# KiCad board panel_50_1.kicad_pcb (continued)
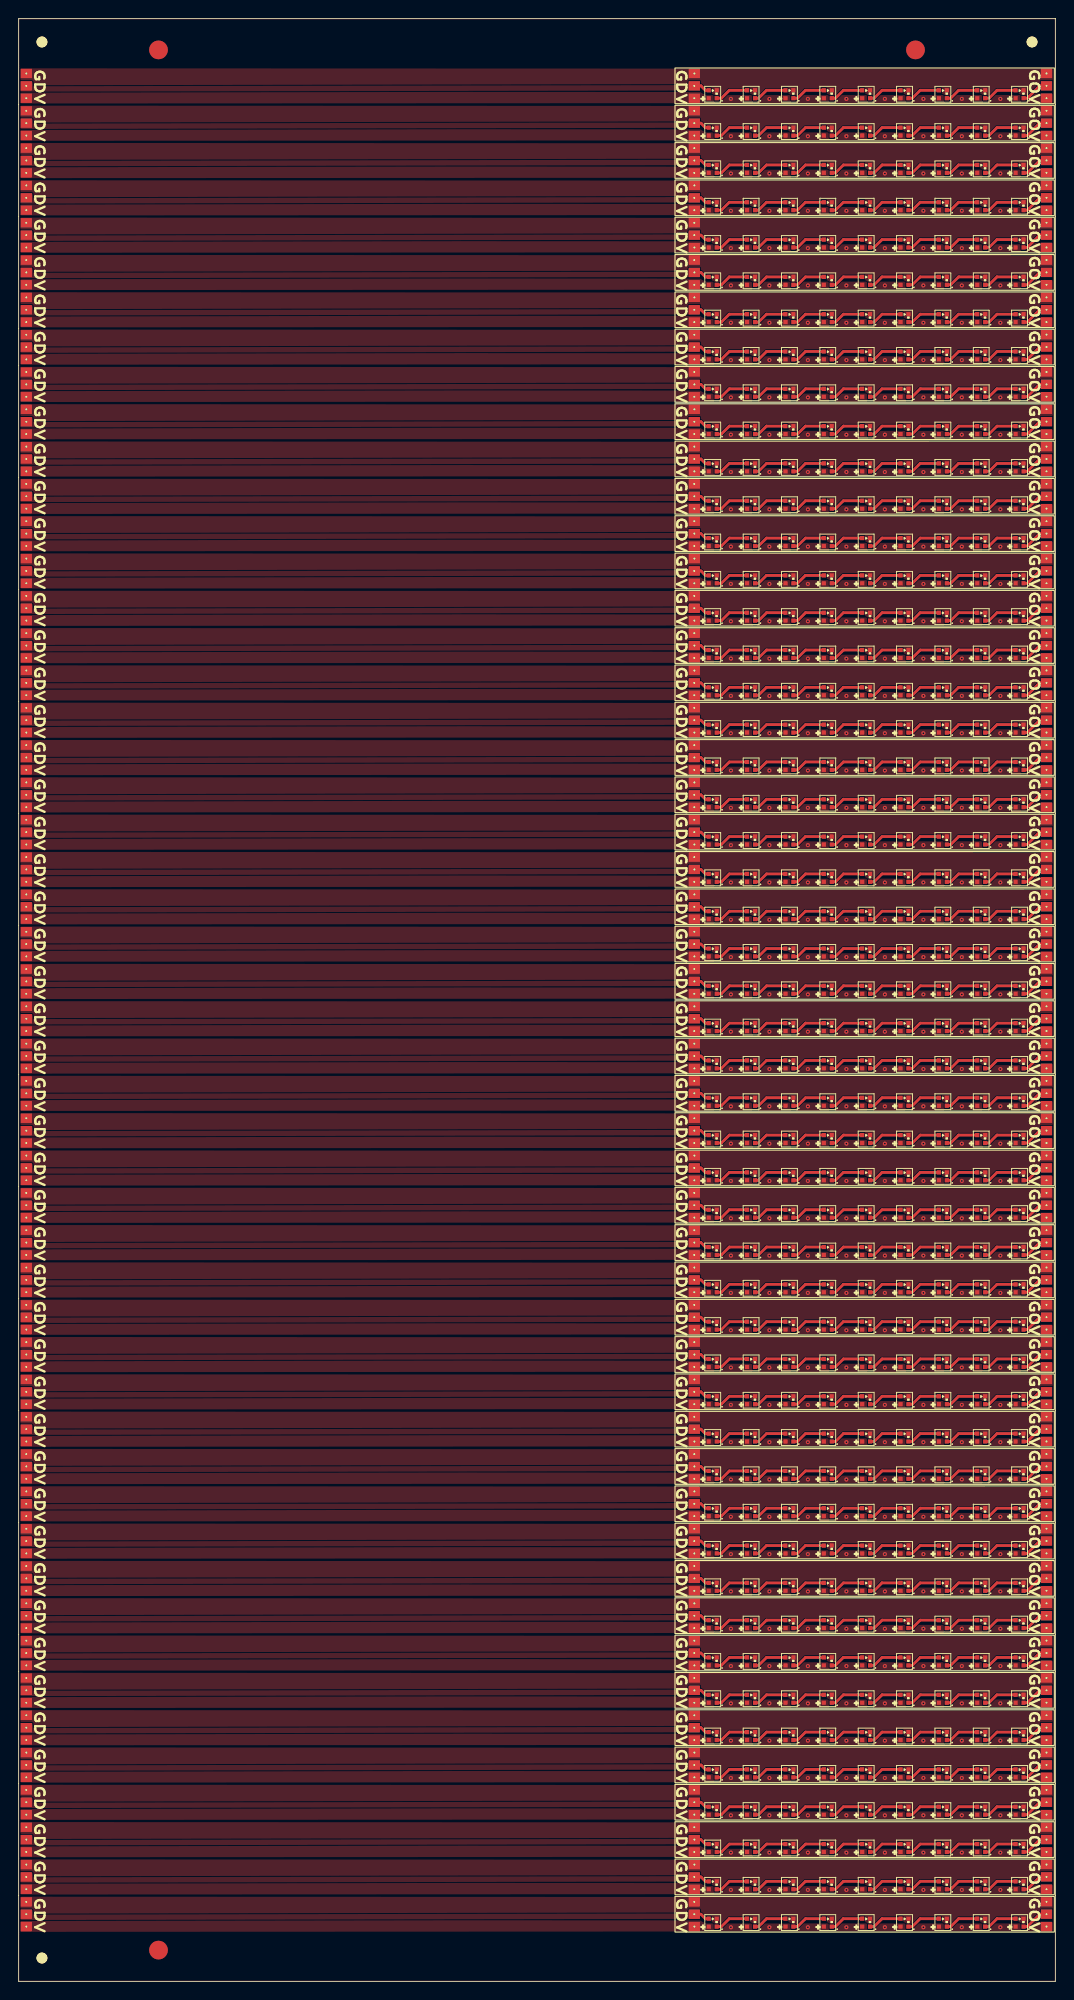
[diagram p0: board, top side]
## Routing (per net, layer and track width the routed paths; a pad name or vN(x,y) marks a point on that pad's centre or on a via; arc(x,y) is an arc through that point) (continued)
Board_43-Net-(U8-DOUT): length 3.6
  Top w0.3: U8#13.1 104.08,29.87 104.93,30.72 U9#39.4
Board_44-+3V3:
  vias: v1(76.39,25.8) v1(80.52,25.8) v1(84.65,25.8) v1(88.78,25.8) v1(92.9,25.8) v1(97.03,25.8) v1(101.16,25.8) v1(105.29,25.8)
Board_44-LED_DATA: length 1.7
  Top w0.3: J3#17.1 73.18,27.19 73.66,26.72 U1#16.4
Board_44-LED_OUT: length 3
  Top w0.3: J4#47.1 109.51,27.2 108.18,25.87 U9#41.1
Board_44-Net-(U1-DOUT): length 3.6
  Top w0.3: U2#47.4 76.22,26.72 75.37,25.87 U1#16.1
Board_44-Net-(U2-DOUT): length 3.6
  Top w0.3: U2#47.1 79.36,25.87 80.21,26.72 U3#49.4
Board_44-Net-(U3-DOUT): length 3.6
  Top w0.3: U4#21.4 84.39,26.72 83.54,25.87 U3#49.1
Board_44-Net-(U4-DOUT): length 3.6
  Top w0.3: U4#21.1 87.6,25.87 88.45,26.72 U5#27.4
Board_44-Net-(U5-DOUT): length 3.6
  Top w0.3: U6#38.4 92.6,26.72 91.75,25.87 U5#27.1
Board_44-Net-(U6-DOUT): length 3.6
  Top w0.3: U7#12.4 96.69,26.72 95.84,25.87 U6#38.1
Board_44-Net-(U7-DOUT): length 3.6
  Top w0.3: U8#41.4 100.81,26.72 99.96,25.87 U7#12.1
Board_44-Net-(U8-DOUT): length 3.6
  Top w0.3: U9#41.4 104.93,26.72 104.08,25.87 U8#41.1
Board_45-+3V3:
  vias: v1(76.39,21.8) v1(80.52,21.8) v1(84.65,21.8) v1(88.78,21.8) v1(92.9,21.8) v1(97.03,21.8) v1(101.16,21.8) v1(105.29,21.8)
Board_45-LED_DATA: length 1.7
  Top w0.3: J3#41.1 73.18,23.19 73.66,22.72 U1#42.4
Board_45-LED_OUT: length 3
  Top w0.3: U9#17.1 108.18,21.87 109.51,23.2 J4#13.1
Board_45-Net-(U1-DOUT): length 3.6
  Top w0.3: U1#42.1 75.37,21.87 76.22,22.72 U2#40.4
Board_45-Net-(U2-DOUT): length 3.6
  Top w0.3: U2#40.1 79.36,21.87 80.21,22.72 U3#33.4
Board_45-Net-(U3-DOUT): length 3.6
  Top w0.3: U3#33.1 83.54,21.87 84.39,22.72 U4#45.4
Board_45-Net-(U4-DOUT): length 3.6
  Top w0.3: U4#45.1 87.6,21.87 88.45,22.72 U5#36.4
Board_45-Net-(U5-DOUT): length 3.6
  Top w0.3: U5#36.1 91.75,21.87 92.6,22.72 U6#4.4
Board_45-Net-(U6-DOUT): length 3.6
  Top w0.3: U7#4.4 96.69,22.72 95.84,21.87 U6#4.1
Board_45-Net-(U7-DOUT): length 3.6
  Top w0.3: U8#19.4 100.81,22.72 99.96,21.87 U7#4.1
Board_45-Net-(U8-DOUT): length 3.6
  Top w0.3: U9#17.4 104.93,22.72 104.08,21.87 U8#19.1
Board_46-+3V3:
  vias: v1(76.39,17.8) v1(80.52,17.8) v1(84.65,17.8) v1(88.78,17.8) v1(92.9,17.8) v1(97.03,17.8) v1(101.16,17.8) v1(105.29,17.8)
Board_46-LED_DATA: length 1.7
  Top w0.3: J3#42.1 73.18,19.19 73.66,18.72 U1#35.4
Board_46-LED_OUT: length 3
  Top w0.3: J4#26.1 109.51,19.2 108.18,17.87 U9#43.1
Board_46-Net-(U1-DOUT): length 3.6
  Top w0.3: U2#42.4 76.22,18.72 75.37,17.87 U1#35.1
Board_46-Net-(U2-DOUT): length 3.6
  Top w0.3: U2#42.1 79.36,17.87 80.21,18.72 U3#19.4
Board_46-Net-(U3-DOUT): length 3.6
  Top w0.3: U3#19.1 83.54,17.87 84.39,18.72 U4#9.4
Board_46-Net-(U4-DOUT): length 3.6
  Top w0.3: U4#9.1 87.6,17.87 88.45,18.72 U5#37.4
Board_46-Net-(U5-DOUT): length 3.6
  Top w0.3: U6#32.4 92.6,18.72 91.75,17.87 U5#37.1
Board_46-Net-(U6-DOUT): length 3.6
  Top w0.3: U6#32.1 95.84,17.87 96.69,18.72 U7#13.4
Board_46-Net-(U7-DOUT): length 3.6
  Top w0.3: U7#13.1 99.96,17.87 100.81,18.72 U8#31.4
Board_46-Net-(U8-DOUT): length 3.6
  Top w0.3: U8#31.1 104.08,17.87 104.93,18.72 U9#43.4
Board_47-+3V3:
  vias: v1(76.39,13.8) v1(80.52,13.8) v1(84.65,13.8) v1(88.78,13.8) v1(92.9,13.8) v1(97.03,13.8) v1(101.16,13.8) v1(105.29,13.8)
Board_47-LED_DATA: length 1.7
  Top w0.3: J3#9.1 73.18,15.19 73.66,14.72 U1#20.4
Board_47-LED_OUT: length 3
  Top w0.3: J4#8.1 109.51,15.2 108.18,13.87 U9#23.1
Board_47-Net-(U1-DOUT): length 3.6
  Top w0.3: U1#20.1 75.37,13.87 76.22,14.72 U2#43.4
Board_47-Net-(U2-DOUT): length 3.6
  Top w0.3: U3#23.4 80.21,14.72 79.36,13.87 U2#43.1
Board_47-Net-(U3-DOUT): length 3.6
  Top w0.3: U3#23.1 83.54,13.87 84.39,14.72 U4#10.4
Board_47-Net-(U4-DOUT): length 3.6
  Top w0.3: U4#10.1 87.6,13.87 88.45,14.72 U5#28.4
Board_47-Net-(U5-DOUT): length 3.6
  Top w0.3: U5#28.1 91.75,13.87 92.6,14.72 U6#13.4
Board_47-Net-(U6-DOUT): length 3.6
  Top w0.3: U7#37.4 96.69,14.72 95.84,13.87 U6#13.1
Board_47-Net-(U7-DOUT): length 3.6
  Top w0.3: U7#37.1 99.96,13.87 100.81,14.72 U8#32.4
Board_47-Net-(U8-DOUT): length 3.6
  Top w0.3: U9#23.4 104.93,14.72 104.08,13.87 U8#32.1
Board_48-+3V3:
  vias: v1(76.39,9.8) v1(80.52,9.8) v1(84.65,9.8) v1(88.78,9.8) v1(92.9,9.8) v1(97.03,9.8) v1(101.16,9.8) v1(105.29,9.8)
Board_48-LED_DATA: length 1.7
  Top w0.3: J3#36.1 73.18,11.19 73.66,10.72 U1#23.4
Board_48-LED_OUT: length 3
  Top w0.3: J4#4.1 109.51,11.2 108.18,9.87 U9#4.1
Board_48-Net-(U1-DOUT): length 3.6
  Top w0.3: U2#35.4 76.22,10.72 75.37,9.87 U1#23.1
Board_48-Net-(U2-DOUT): length 3.6
  Top w0.3: U3#34.4 80.21,10.72 79.36,9.87 U2#35.1
Board_48-Net-(U3-DOUT): length 3.6
  Top w0.3: U3#34.1 83.54,9.87 84.39,10.72 U4#44.4
Board_48-Net-(U4-DOUT): length 3.6
  Top w0.3: U4#44.1 87.6,9.87 88.45,10.72 U5#7.4
Board_48-Net-(U5-DOUT): length 3.6
  Top w0.3: U6#36.4 92.6,10.72 91.75,9.87 U5#7.1
Board_48-Net-(U6-DOUT): length 3.6
  Top w0.3: U7#48.4 96.69,10.72 95.84,9.87 U6#36.1
Board_48-Net-(U7-DOUT): length 3.6
  Top w0.3: U8#43.4 100.81,10.72 99.96,9.87 U7#48.1
Board_48-Net-(U8-DOUT): length 3.6
  Top w0.3: U8#43.1 104.08,9.87 104.93,10.72 U9#4.4
Board_49-+3V3:
  vias: v1(76.39,5.8) v1(80.52,5.8) v1(84.65,5.8) v1(88.78,5.8) v1(92.9,5.8) v1(97.03,5.8) v1(101.16,5.8) v1(105.29,5.8)
Board_49-LED_DATA: length 1.7
  Top w0.3: U1#48.4 73.66,6.72 73.18,7.19 J3#43.1
Board_49-LED_OUT: length 3
  Top w0.3: J4#24.1 109.51,7.2 108.18,5.87 U9#10.1
Board_49-Net-(U1-DOUT): length 3.6
  Top w0.3: U2#39.4 76.22,6.72 75.37,5.87 U1#48.1
Board_49-Net-(U2-DOUT): length 3.6
  Top w0.3: U3#4.4 80.21,6.72 79.36,5.87 U2#39.1
Board_49-Net-(U3-DOUT): length 3.6
  Top w0.3: U3#4.1 83.54,5.87 84.39,6.72 U4#38.4
Board_49-Net-(U4-DOUT): length 3.6
  Top w0.3: U4#38.1 87.6,5.87 88.45,6.72 U5#44.4
Board_49-Net-(U5-DOUT): length 3.6
  Top w0.3: U5#44.1 91.75,5.87 92.6,6.72 U6#5.4
Board_49-Net-(U6-DOUT): length 3.6
  Top w0.3: U7#31.4 96.69,6.72 95.84,5.87 U6#5.1
Board_49-Net-(U7-DOUT): length 3.6
  Top w0.3: U7#31.1 99.96,5.87 100.81,6.72 U8#8.4
Board_49-Net-(U8-DOUT): length 3.6
  Top w0.3: U8#8.1 104.08,5.87 104.93,6.72 U9#10.4

## Copper pours and planes (outline as drawn; the poured copper is in the pictures)
Board_0-+3V3 on Top, Bottom: 0.19,201.31 0.19,202.58 73.07,202.53 73.65,202.21 107.27,202.22 108.67,202.37 110.91,202.36 110.91,201.36
Board_0-GND on Top, Bottom: 110.92,205.03 0.19,205.08 0.19,201.31 110.91,201.36
Board_0-LED_DATA on Top, Bottom: 73.06,203.69 73.07,202.69 71.87,202.69 0.19,202.58 0.2,203.7 1.48,203.7 1.58,203.16 71.75,203.28 71.87,203.69
Board_1-+3V3 on Top, Bottom: 0.19,197.31 0.19,198.58 73.07,198.53 73.65,198.21 107.27,198.22 108.67,198.37 110.91,198.36 110.91,197.36
Board_1-GND on Top, Bottom: 110.92,201.03 0.19,201.08 0.19,197.31 110.91,197.36
Board_1-LED_DATA on Top, Bottom: 73.06,199.69 73.07,198.69 71.87,198.69 0.19,198.58 0.2,199.7 1.48,199.7 1.58,199.16 71.75,199.28 71.87,199.69
Board_2-+3V3 on Top, Bottom: 0.19,193.31 0.19,194.57 73.07,194.53 73.65,194.21 107.27,194.22 108.67,194.37 110.91,194.36 110.91,193.36
Board_2-GND on Top, Bottom: 110.92,197.03 0.19,197.07 0.19,193.31 110.91,193.36
Board_2-LED_DATA on Top, Bottom: 73.06,195.69 73.07,194.69 71.87,194.69 0.19,194.57 0.2,195.7 1.48,195.7 1.58,195.16 71.75,195.28 71.87,195.69
Board_3-+3V3 on Top, Bottom: 0.19,189.31 0.19,190.57 73.07,190.53 73.65,190.21 107.27,190.22 108.67,190.37 110.91,190.36 110.91,189.36
Board_3-GND on Top, Bottom: 110.92,193.03 0.19,193.07 0.19,189.31 110.91,189.36
Board_3-LED_DATA on Top, Bottom: 73.06,191.69 73.07,190.69 71.87,190.69 0.19,190.57 0.2,191.7 1.48,191.7 1.58,191.16 71.75,191.28 71.87,191.69
Board_4-+3V3 on Top, Bottom: 0.19,185.31 0.19,186.57 73.07,186.53 73.65,186.21 107.27,186.22 108.67,186.37 110.91,186.36 110.91,185.36
Board_4-GND on Top, Bottom: 110.92,189.03 0.19,189.07 0.19,185.31 110.91,185.36
Board_4-LED_DATA on Top, Bottom: 73.06,187.69 73.07,186.69 71.87,186.69 0.19,186.57 0.2,187.7 1.48,187.7 1.58,187.16 71.75,187.28 71.87,187.69
Board_5-+3V3 on Top, Bottom: 0.19,181.31 0.19,182.57 73.07,182.53 73.65,182.21 107.27,182.22 108.67,182.37 110.91,182.36 110.91,181.36
Board_5-GND on Top, Bottom: 110.92,185.03 0.19,185.07 0.19,181.31 110.91,181.36
Board_5-LED_DATA on Top, Bottom: 73.06,183.69 73.07,182.69 71.87,182.69 0.19,182.57 0.2,183.7 1.48,183.7 1.58,183.16 71.75,183.28 71.87,183.69
Board_6-+3V3 on Top, Bottom: 0.19,177.31 0.19,178.57 73.07,178.53 73.65,178.21 107.27,178.22 108.67,178.37 110.91,178.36 110.91,177.36
Board_6-GND on Top, Bottom: 110.92,181.03 0.19,181.07 0.19,177.31 110.91,177.36
Board_6-LED_DATA on Top, Bottom: 73.06,179.69 73.07,178.69 71.87,178.69 0.19,178.57 0.2,179.7 1.48,179.7 1.58,179.16 71.75,179.28 71.87,179.69
Board_7-+3V3 on Top, Bottom: 0.19,173.31 0.19,174.57 73.07,174.53 73.65,174.21 107.27,174.22 108.67,174.37 110.91,174.36 110.91,173.36
Board_7-GND on Top, Bottom: 110.92,177.03 0.19,177.07 0.19,173.31 110.91,173.36
Board_7-LED_DATA on Top, Bottom: 73.06,175.69 73.07,174.69 71.87,174.69 0.19,174.57 0.2,175.7 1.48,175.7 1.58,175.16 71.75,175.28 71.87,175.69
Board_8-+3V3 on Top, Bottom: 0.19,169.31 0.19,170.57 73.07,170.53 73.65,170.21 107.27,170.22 108.67,170.37 110.91,170.36 110.91,169.36
Board_8-GND on Top, Bottom: 110.92,173.03 0.19,173.07 0.19,169.31 110.91,169.36
Board_8-LED_DATA on Top, Bottom: 73.06,171.69 73.07,170.69 71.87,170.69 0.19,170.57 0.2,171.7 1.48,171.7 1.58,171.16 71.75,171.28 71.87,171.69
Board_9-+3V3 on Top, Bottom: 0.19,165.31 0.19,166.57 73.07,166.53 73.65,166.21 107.27,166.22 108.67,166.37 110.91,166.36 110.91,165.36
Board_9-GND on Top, Bottom: 110.92,169.03 0.19,169.07 0.19,165.31 110.91,165.36
Board_9-LED_DATA on Top, Bottom: 73.06,167.69 73.07,166.69 71.87,166.69 0.19,166.57 0.2,167.7 1.48,167.7 1.58,167.16 71.75,167.28 71.87,167.69
Board_10-+3V3 on Top, Bottom: 0.19,161.31 0.19,162.57 73.07,162.54 73.65,162.21 107.27,162.22 108.67,162.37 110.91,162.36 110.91,161.36
Board_10-GND on Top, Bottom: 110.92,165.03 0.19,165.07 0.19,161.31 110.91,161.36
Board_10-LED_DATA on Top, Bottom: 73.06,163.69 73.07,162.69 71.87,162.69 0.19,162.57 0.2,163.7 1.48,163.7 1.58,163.16 71.75,163.28 71.87,163.69
Board_11-+3V3 on Top, Bottom: 0.19,157.31 0.19,158.57 73.07,158.54 73.65,158.21 107.27,158.22 108.67,158.37 110.91,158.36 110.91,157.36
Board_11-GND on Top, Bottom: 110.92,161.03 0.19,161.07 0.19,157.31 110.91,157.36
Board_11-LED_DATA on Top, Bottom: 73.06,159.69 73.07,158.69 71.87,158.69 0.19,158.57 0.2,159.7 1.48,159.7 1.58,159.16 71.75,159.28 71.87,159.69
Board_12-+3V3 on Top, Bottom: 0.19,153.31 0.19,154.57 73.07,154.54 73.65,154.21 107.27,154.22 108.67,154.37 110.91,154.36 110.91,153.36
Board_12-GND on Top, Bottom: 110.92,157.03 0.19,157.07 0.19,153.31 110.91,153.36
Board_12-LED_DATA on Top, Bottom: 73.06,155.69 73.07,154.69 71.87,154.69 0.19,154.57 0.2,155.7 1.48,155.7 1.58,155.16 71.75,155.28 71.87,155.69
Board_13-+3V3 on Top, Bottom: 0.19,149.31 0.19,150.57 73.07,150.54 73.65,150.21 107.27,150.22 108.67,150.37 110.91,150.36 110.91,149.36
Board_13-GND on Top, Bottom: 110.92,153.03 0.19,153.07 0.19,149.31 110.91,149.36
Board_13-LED_DATA on Top, Bottom: 73.06,151.69 73.07,150.69 71.87,150.69 0.19,150.57 0.2,151.7 1.48,151.7 1.58,151.16 71.75,151.28 71.87,151.69
Board_14-+3V3 on Top, Bottom: 0.19,145.31 0.19,146.57 73.07,146.54 73.65,146.21 107.27,146.22 108.67,146.37 110.91,146.36 110.91,145.36
Board_14-GND on Top, Bottom: 110.92,149.03 0.19,149.07 0.19,145.31 110.91,145.36
Board_14-LED_DATA on Top, Bottom: 73.06,147.69 73.07,146.69 71.87,146.69 0.19,146.57 0.2,147.7 1.48,147.7 1.58,147.16 71.75,147.28 71.87,147.69
Board_15-+3V3 on Top, Bottom: 0.19,141.31 0.19,142.57 73.07,142.54 73.65,142.21 107.27,142.22 108.67,142.37 110.91,142.36 110.91,141.36
Board_15-GND on Top, Bottom: 110.92,145.03 0.19,145.07 0.19,141.31 110.91,141.36
Board_15-LED_DATA on Top, Bottom: 73.06,143.69 73.07,142.69 71.87,142.69 0.19,142.57 0.2,143.7 1.48,143.7 1.58,143.16 71.75,143.28 71.87,143.69
Board_16-+3V3 on Top, Bottom: 0.19,137.31 0.19,138.57 73.07,138.54 73.65,138.21 107.27,138.22 108.67,138.37 110.91,138.36 110.91,137.36
Board_16-GND on Top, Bottom: 110.92,141.03 0.19,141.07 0.19,137.31 110.91,137.36
Board_16-LED_DATA on Top, Bottom: 73.06,139.69 73.07,138.69 71.87,138.69 0.19,138.57 0.2,139.7 1.48,139.7 1.58,139.16 71.75,139.28 71.87,139.69
Board_17-+3V3 on Top, Bottom: 0.19,133.31 0.19,134.57 73.07,134.54 73.65,134.21 107.27,134.22 108.67,134.37 110.91,134.36 110.91,133.36
Board_17-GND on Top, Bottom: 110.92,137.03 0.19,137.07 0.19,133.31 110.91,133.36
Board_17-LED_DATA on Top, Bottom: 73.06,135.69 73.07,134.69 71.87,134.69 0.19,134.57 0.2,135.7 1.48,135.7 1.58,135.16 71.75,135.28 71.87,135.69
Board_18-+3V3 on Top, Bottom: 0.19,129.31 0.19,130.57 73.07,130.54 73.65,130.21 107.27,130.22 108.67,130.37 110.91,130.36 110.91,129.36
Board_18-GND on Top, Bottom: 110.92,133.03 0.19,133.07 0.19,129.31 110.91,129.36
Board_18-LED_DATA on Top, Bottom: 73.06,131.69 73.07,130.69 71.87,130.69 0.19,130.57 0.2,131.7 1.48,131.7 1.58,131.16 71.75,131.28 71.87,131.69
Board_19-+3V3 on Top, Bottom: 0.19,125.31 0.19,126.58 73.07,126.54 73.65,126.21 107.27,126.22 108.67,126.37 110.91,126.36 110.91,125.36
Board_19-GND on Top, Bottom: 110.92,129.03 0.19,129.07 0.19,125.31 110.91,125.36
Board_19-LED_DATA on Top, Bottom: 73.06,127.69 73.07,126.7 71.87,126.7 0.19,126.58 0.2,127.7 1.48,127.7 1.58,127.16 71.75,127.28 71.87,127.69
Board_20-+3V3 on Top, Bottom: 0.19,121.31 0.19,122.58 73.07,122.54 73.65,122.21 107.27,122.22 108.67,122.37 110.91,122.36 110.91,121.36
Board_20-GND on Top, Bottom: 110.92,125.03 0.19,125.08 0.19,121.31 110.91,121.36
Board_20-LED_DATA on Top, Bottom: 73.06,123.69 73.07,122.7 71.87,122.7 0.19,122.58 0.2,123.7 1.48,123.7 1.58,123.16 71.75,123.28 71.87,123.69
Board_21-+3V3 on Top, Bottom: 0.19,117.31 0.19,118.58 73.07,118.54 73.65,118.21 107.27,118.22 108.67,118.37 110.91,118.36 110.91,117.36
Board_21-GND on Top, Bottom: 110.92,121.03 0.19,121.08 0.19,117.31 110.91,117.36
Board_21-LED_DATA on Top, Bottom: 73.06,119.69 73.07,118.7 71.87,118.7 0.19,118.58 0.2,119.7 1.48,119.7 1.58,119.16 71.75,119.28 71.87,119.69
Board_22-+3V3 on Top, Bottom: 0.19,113.31 0.19,114.58 73.07,114.54 73.65,114.21 107.27,114.22 108.67,114.37 110.91,114.36 110.91,113.36
Board_22-GND on Top, Bottom: 110.92,117.03 0.19,117.08 0.19,113.31 110.91,113.36
Board_22-LED_DATA on Top, Bottom: 73.06,115.69 73.07,114.7 71.87,114.7 0.19,114.58 0.2,115.7 1.48,115.7 1.58,115.16 71.75,115.28 71.87,115.69
Board_23-+3V3 on Top, Bottom: 0.19,109.31 0.19,110.58 73.07,110.54 73.65,110.21 107.27,110.22 108.67,110.37 110.91,110.36 110.91,109.36
Board_23-GND on Top, Bottom: 110.92,113.03 0.19,113.08 0.19,109.31 110.91,109.36
Board_23-LED_DATA on Top, Bottom: 73.06,111.69 73.07,110.7 71.87,110.7 0.19,110.58 0.2,111.7 1.48,111.7 1.58,111.16 71.75,111.28 71.87,111.69
Board_24-+3V3 on Top, Bottom: 0.19,105.31 0.19,106.58 73.07,106.54 73.65,106.21 107.27,106.22 108.67,106.37 110.91,106.36 110.91,105.36
Board_24-GND on Top, Bottom: 110.92,109.03 0.19,109.08 0.19,105.31 110.91,105.36
Board_24-LED_DATA on Top, Bottom: 73.06,107.69 73.07,106.7 71.87,106.7 0.19,106.58 0.2,107.7 1.48,107.7 1.58,107.16 71.75,107.28 71.87,107.69
Board_25-+3V3 on Top, Bottom: 0.19,101.31 0.19,102.58 73.07,102.54 73.65,102.21 107.27,102.22 108.67,102.37 110.91,102.36 110.91,101.36
Board_25-GND on Top, Bottom: 110.92,105.03 0.19,105.08 0.19,101.31 110.91,101.36
Board_25-LED_DATA on Top, Bottom: 73.06,103.69 73.07,102.7 71.87,102.7 0.19,102.58 0.2,103.7 1.48,103.7 1.58,103.16 71.75,103.28 71.87,103.69
Board_26-+3V3 on Top, Bottom: 0.19,97.31 0.19,98.58 73.07,98.53 73.65,98.21 107.27,98.22 108.67,98.37 110.91,98.36 110.91,97.36
Board_26-GND on Top, Bottom: 110.92,101.03 0.19,101.08 0.19,97.31 110.91,97.36
Board_26-LED_DATA on Top, Bottom: 73.06,99.69 73.07,98.69 71.87,98.69 0.19,98.58 0.2,99.7 1.48,99.7 1.58,99.16 71.75,99.28 71.87,99.69
Board_27-+3V3 on Top, Bottom: 0.19,93.31 0.19,94.58 73.07,94.53 73.65,94.21 107.27,94.22 108.67,94.37 110.91,94.36 110.91,93.36
Board_27-GND on Top, Bottom: 110.92,97.03 0.19,97.08 0.19,93.31 110.91,93.36
Board_27-LED_DATA on Top, Bottom: 73.06,95.69 73.07,94.69 71.87,94.69 0.19,94.58 0.2,95.7 1.48,95.7 1.58,95.16 71.75,95.28 71.87,95.69
Board_28-+3V3 on Top, Bottom: 0.19,89.31 0.19,90.58 73.07,90.53 73.65,90.21 107.27,90.22 108.67,90.37 110.91,90.36 110.91,89.36
Board_28-GND on Top, Bottom: 110.92,93.03 0.19,93.08 0.19,89.31 110.91,89.36
Board_28-LED_DATA on Top, Bottom: 73.06,91.69 73.07,90.69 71.87,90.69 0.19,90.58 0.2,91.7 1.48,91.7 1.58,91.16 71.75,91.28 71.87,91.69
Board_29-+3V3 on Top, Bottom: 0.19,85.31 0.19,86.58 73.07,86.53 73.65,86.21 107.27,86.22 108.67,86.37 110.91,86.36 110.91,85.36
Board_29-GND on Top, Bottom: 110.92,89.03 0.19,89.08 0.19,85.31 110.91,85.36
Board_29-LED_DATA on Top, Bottom: 73.06,87.69 73.07,86.69 71.87,86.69 0.19,86.58 0.2,87.7 1.48,87.7 1.58,87.16 71.75,87.28 71.87,87.69
Board_30-+3V3 on Top, Bottom: 0.19,81.31 0.19,82.58 73.07,82.53 73.65,82.21 107.27,82.22 108.67,82.37 110.91,82.36 110.91,81.36
Board_30-GND on Top, Bottom: 110.92,85.03 0.19,85.08 0.19,81.31 110.91,81.36
Board_30-LED_DATA on Top, Bottom: 73.06,83.69 73.07,82.69 71.87,82.69 0.19,82.58 0.2,83.7 1.48,83.7 1.58,83.16 71.75,83.28 71.87,83.69
Board_31-+3V3 on Top, Bottom: 0.19,77.31 0.19,78.58 73.07,78.53 73.65,78.21 107.27,78.22 108.67,78.37 110.91,78.36 110.91,77.36
Board_31-GND on Top, Bottom: 110.92,81.03 0.19,81.08 0.19,77.31 110.91,77.36
Board_31-LED_DATA on Top, Bottom: 73.06,79.69 73.07,78.69 71.87,78.69 0.19,78.58 0.2,79.7 1.48,79.7 1.58,79.16 71.75,79.28 71.87,79.69
Board_32-+3V3 on Top, Bottom: 0.19,73.31 0.19,74.58 73.07,74.53 73.65,74.21 107.27,74.22 108.67,74.37 110.91,74.36 110.91,73.36
Board_32-GND on Top, Bottom: 110.92,77.03 0.19,77.08 0.19,73.31 110.91,73.36
Board_32-LED_DATA on Top, Bottom: 73.06,75.69 73.07,74.69 71.87,74.69 0.19,74.58 0.2,75.7 1.48,75.7 1.58,75.16 71.75,75.28 71.87,75.69
Board_33-+3V3 on Top, Bottom: 0.19,69.31 0.19,70.58 73.07,70.53 73.65,70.21 107.27,70.22 108.67,70.37 110.91,70.36 110.91,69.36
Board_33-GND on Top, Bottom: 110.92,73.03 0.19,73.08 0.19,69.31 110.91,69.36
Board_33-LED_DATA on Top, Bottom: 73.06,71.69 73.07,70.69 71.87,70.69 0.19,70.58 0.2,71.7 1.48,71.7 1.58,71.16 71.75,71.28 71.87,71.69
Board_34-+3V3 on Top, Bottom: 0.19,65.31 0.19,66.58 73.07,66.53 73.65,66.21 107.27,66.22 108.67,66.37 110.91,66.36 110.91,65.36
Board_34-GND on Top, Bottom: 110.92,69.03 0.19,69.08 0.19,65.31 110.91,65.36
Board_34-LED_DATA on Top, Bottom: 73.06,67.69 73.07,66.69 71.87,66.69 0.19,66.58 0.2,67.7 1.48,67.7 1.58,67.16 71.75,67.28 71.87,67.69
Board_35-+3V3 on Top, Bottom: 0.19,61.31 0.19,62.58 73.07,62.53 73.65,62.21 107.27,62.22 108.67,62.37 110.91,62.36 110.91,61.36
Board_35-GND on Top, Bottom: 110.92,65.03 0.19,65.08 0.19,61.31 110.91,61.36
Board_35-LED_DATA on Top, Bottom: 73.06,63.69 73.07,62.69 71.87,62.69 0.19,62.58 0.2,63.7 1.48,63.7 1.58,63.16 71.75,63.28 71.87,63.69
Board_36-+3V3 on Top, Bottom: 0.19,57.31 0.19,58.58 73.07,58.53 73.65,58.21 107.27,58.22 108.67,58.37 110.91,58.36 110.91,57.36
Board_36-GND on Top, Bottom: 110.92,61.03 0.19,61.08 0.19,57.31 110.91,57.36
Board_36-LED_DATA on Top, Bottom: 73.06,59.69 73.07,58.69 71.87,58.69 0.19,58.58 0.2,59.7 1.48,59.7 1.58,59.16 71.75,59.28 71.87,59.69
Board_37-+3V3 on Top, Bottom: 0.19,53.31 0.19,54.58 73.07,54.53 73.65,54.21 107.27,54.22 108.67,54.37 110.91,54.36 110.91,53.36
Board_37-GND on Top, Bottom: 110.92,57.03 0.19,57.08 0.19,53.31 110.91,53.36
Board_37-LED_DATA on Top, Bottom: 73.06,55.69 73.07,54.69 71.87,54.69 0.19,54.58 0.2,55.7 1.48,55.7 1.58,55.16 71.75,55.28 71.87,55.69
Board_38-+3V3 on Top, Bottom: 0.19,49.31 0.19,50.58 73.07,50.53 73.65,50.21 107.27,50.22 108.67,50.37 110.91,50.36 110.91,49.36
Board_38-GND on Top, Bottom: 110.92,53.03 0.19,53.08 0.19,49.31 110.91,49.36
Board_38-LED_DATA on Top, Bottom: 73.06,51.69 73.07,50.69 71.87,50.69 0.19,50.58 0.2,51.7 1.48,51.7 1.58,51.16 71.75,51.28 71.87,51.69
Board_39-+3V3 on Top, Bottom: 0.19,45.31 0.19,46.58 73.07,46.53 73.65,46.21 107.27,46.22 108.67,46.37 110.91,46.36 110.91,45.36
Board_39-GND on Top, Bottom: 110.92,49.03 0.19,49.08 0.19,45.31 110.91,45.36
Board_39-LED_DATA on Top, Bottom: 73.06,47.69 73.07,46.69 71.87,46.69 0.19,46.58 0.2,47.7 1.48,47.7 1.58,47.16 71.75,47.28 71.87,47.69
Board_40-+3V3 on Top, Bottom: 0.19,41.31 0.19,42.58 73.07,42.53 73.65,42.21 107.27,42.22 108.67,42.37 110.91,42.36 110.91,41.36
Board_40-GND on Top, Bottom: 110.92,45.03 0.19,45.08 0.19,41.31 110.91,41.36
Board_40-LED_DATA on Top, Bottom: 73.06,43.69 73.07,42.69 71.87,42.69 0.19,42.58 0.2,43.7 1.48,43.7 1.58,43.16 71.75,43.28 71.87,43.69
Board_41-+3V3 on Top, Bottom: 0.19,37.31 0.19,38.58 73.07,38.53 73.65,38.21 107.27,38.22 108.67,38.37 110.91,38.36 110.91,37.36
Board_41-GND on Top, Bottom: 110.92,41.03 0.19,41.08 0.19,37.31 110.91,37.36
Board_41-LED_DATA on Top, Bottom: 73.06,39.69 73.07,38.69 71.87,38.69 0.19,38.58 0.2,39.7 1.48,39.7 1.58,39.16 71.75,39.28 71.87,39.69
Board_42-+3V3 on Top, Bottom: 0.19,33.31 0.19,34.58 73.07,34.53 73.65,34.21 107.27,34.22 108.67,34.37 110.91,34.36 110.91,33.36
Board_42-GND on Top, Bottom: 110.92,37.03 0.19,37.08 0.19,33.31 110.91,33.36
Board_42-LED_DATA on Top, Bottom: 73.06,35.69 73.07,34.69 71.87,34.69 0.19,34.58 0.2,35.7 1.48,35.7 1.58,35.16 71.75,35.28 71.87,35.69
Board_43-+3V3 on Top, Bottom: 0.19,29.31 0.19,30.58 73.07,30.53 73.65,30.21 107.27,30.22 108.67,30.37 110.91,30.36 110.91,29.36
Board_43-GND on Top, Bottom: 110.92,33.03 0.19,33.08 0.19,29.31 110.91,29.36
Board_43-LED_DATA on Top, Bottom: 73.06,31.69 73.07,30.69 71.87,30.69 0.19,30.58 0.2,31.7 1.48,31.7 1.58,31.16 71.75,31.28 71.87,31.69
Board_44-+3V3 on Top, Bottom: 0.19,25.31 0.19,26.58 73.07,26.53 73.65,26.21 107.27,26.22 108.67,26.37 110.91,26.36 110.91,25.36
Board_44-GND on Top, Bottom: 110.92,29.03 0.19,29.08 0.19,25.31 110.91,25.36
Board_44-LED_DATA on Top, Bottom: 73.06,27.69 73.07,26.69 71.87,26.69 0.19,26.58 0.2,27.7 1.48,27.7 1.58,27.16 71.75,27.28 71.87,27.69
Board_45-+3V3 on Top, Bottom: 0.19,21.31 0.19,22.58 73.07,22.53 73.65,22.21 107.27,22.22 108.67,22.37 110.91,22.36 110.91,21.36
Board_45-GND on Top, Bottom: 110.92,25.03 0.19,25.08 0.19,21.31 110.91,21.36
Board_45-LED_DATA on Top, Bottom: 73.06,23.69 73.07,22.69 71.87,22.69 0.19,22.58 0.2,23.7 1.48,23.7 1.58,23.16 71.75,23.28 71.87,23.69
Board_46-+3V3 on Top, Bottom: 0.19,17.31 0.19,18.58 73.07,18.53 73.65,18.21 107.27,18.22 108.67,18.37 110.91,18.36 110.91,17.36
Board_46-GND on Top, Bottom: 110.92,21.03 0.19,21.08 0.19,17.31 110.91,17.36
Board_46-LED_DATA on Top, Bottom: 73.06,19.69 73.07,18.69 71.87,18.69 0.19,18.58 0.2,19.7 1.48,19.7 1.58,19.16 71.75,19.28 71.87,19.69
Board_47-+3V3 on Top, Bottom: 0.19,13.31 0.19,14.58 73.07,14.53 73.65,14.21 107.27,14.22 108.67,14.37 110.91,14.36 110.91,13.36
Board_47-GND on Top, Bottom: 110.92,17.03 0.19,17.08 0.19,13.31 110.91,13.36
Board_47-LED_DATA on Top, Bottom: 73.06,15.69 73.07,14.69 71.87,14.69 0.19,14.58 0.2,15.7 1.48,15.7 1.58,15.16 71.75,15.28 71.87,15.69
Board_48-+3V3 on Top, Bottom: 0.19,9.31 0.19,10.58 73.07,10.53 73.65,10.21 107.27,10.22 108.67,10.37 110.91,10.36 110.91,9.36
Board_48-GND on Top, Bottom: 110.92,13.03 0.19,13.08 0.19,9.31 110.91,9.36
Board_48-LED_DATA on Top, Bottom: 73.06,11.69 73.07,10.69 71.87,10.69 0.19,10.58 0.2,11.7 1.48,11.7 1.58,11.16 71.75,11.28 71.87,11.69
Board_49-+3V3 on Top, Bottom: 0.19,5.31 0.19,6.58 73.07,6.53 73.65,6.21 107.27,6.22 108.67,6.37 110.91,6.36 110.91,5.36
Board_49-GND on Top, Bottom: 110.92,9.03 0.19,9.08 0.19,5.31 110.91,5.36
Board_49-LED_DATA on Top, Bottom: 73.06,7.69 73.07,6.69 71.87,6.69 0.19,6.58 0.2,7.7 1.48,7.7 1.58,7.16 71.75,7.28 71.87,7.69

## Text on the board
F.Silkscreen: GDV | GOV
